# Altium PCB TIDA-01349_PCB.PcbDoc (part 2 of 2)
Units mil, origin at the board's own origin, x right, y up, seen from the top; angles counter-clockwise.
Board outline 4300 x 4300 mil, 4 copper layers (Top Layer, Ground, Power, Bottom Layer), stack 58.4 mil thick; 136 components, 93 nets, 533 pads, 119 vias.
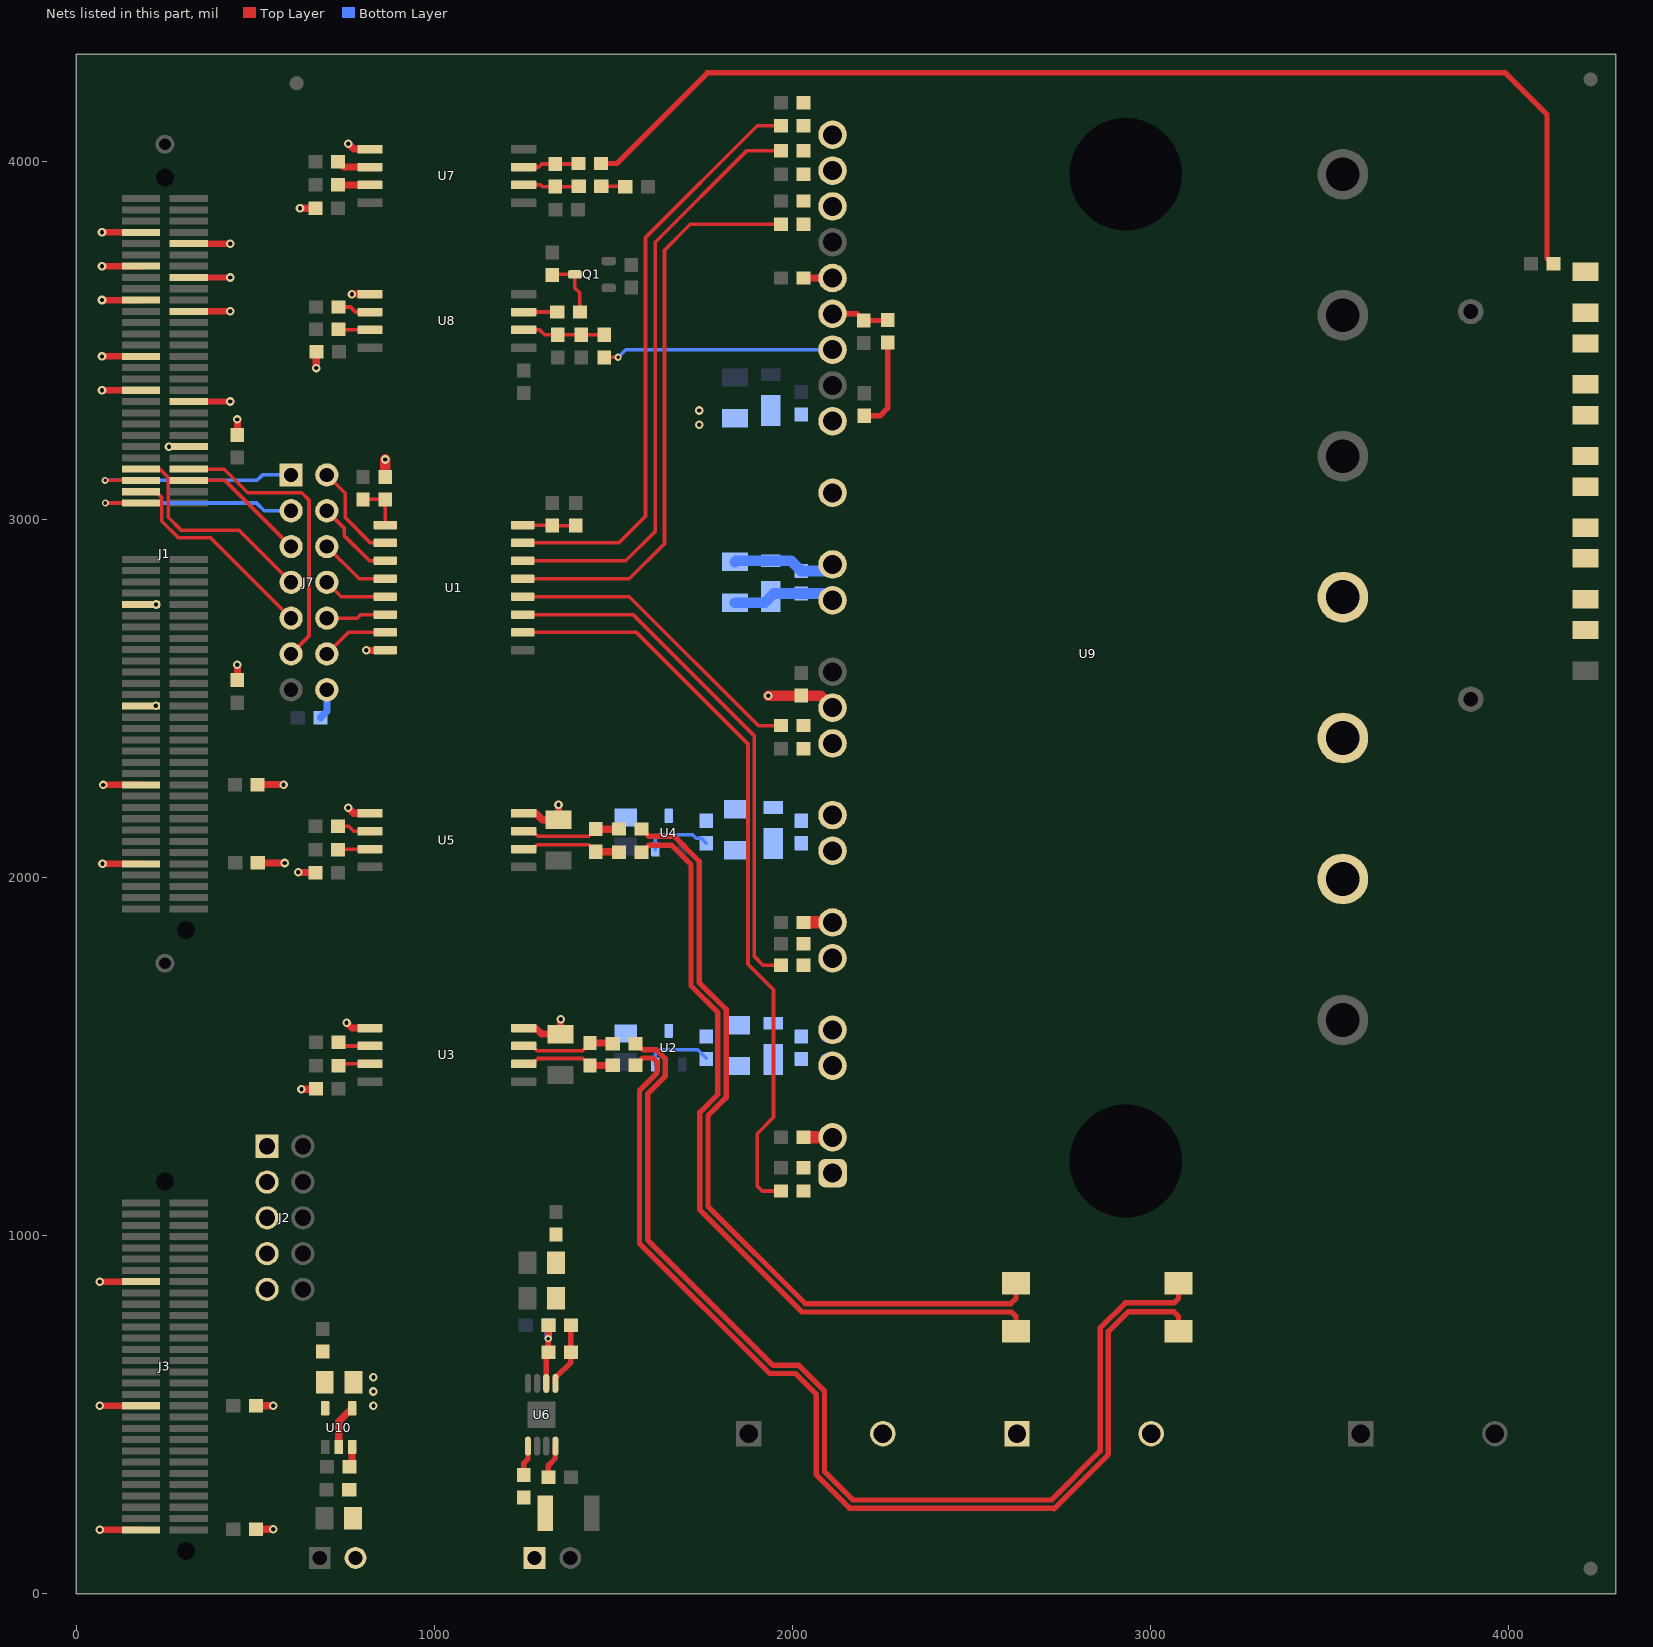
[diagram p4: the nets of this part, all layers, seen from the top]

## Via types
v1: diameter 24, hole 12, Top Layer to Bottom Layer, 94 vias
v2: diameter 20, hole 10, Top Layer to Bottom Layer, 20 vias
v3: diameter 19.68, hole 7.87, Top Layer to Bottom Layer, 5 vias

## Nets (pads, with @x,y where several pads share a name; then routed paths per layer and width w, separated by ;. In a path a pad name is that pad's centre, name@x,y a point inside that pad or via, vN(x,y) a via of type N, cw(c..) or ccw(c..) an arc to the next point about the centre after c; other vN are vias at no path point) (continued)
GND: C1.2 C3.2 C4.2 C9.2 C10.2 C11.2 C15.2 C17.2 C21.2 C22.2 C41.2 C50.2 C51.2 C53.2 C56.1 J1.7 J1.10 J1.13 J1.16 J1.19 J1.22 J1.29 J1.35 J1.38 J1.46 J1.65 J1.83 J1.97 J1.111 J2.1 J2.3 J2.5 J2.7 J2.9 J3.135 J3.157 J3.179 J7.14 J9.2 U1.8 U3.5 U5.5 U7.5 U8.5 U10.2 U10.4 | length 2781.9
  Top Layer w18: v1(65.34,178.63) J3.179@180.76,178.63 ; v1(65.34,525.09) J3.157@180.76,525.09 ; v1(65.34,871.55) J3.135@180.76,871.55 ; v1(72,3361.53) J1.35@180.76,3361.53 ; v1(72,3456.01) J1.29@180.76,3456.01 ; v1(72,3613.49) J1.19@180.76,3613.49 ; v1(72,3707.98) J1.13@180.76,3707.98 ; v1(72,3802.47) J1.7@180.76,3802.47 ; v1(73.3,2038.69) J1.111@180.76,2038.69 ; v1(75,2259.16) J1.97@180.76,2259.16 ; J1.83@180.76,2479.64 221.64,2479.64 v1(222,2480) ; J1.65@180.76,2763.1 222.9,2763.1 v1(223,2763) ; v1(258.95,3204.04) J1.46@314.62,3204.04 ; J1.38@314.62,3330.03 v1(430.03,3330.03) ; J1.22@314.62,3582 v1(430.03,3582) ; J1.16@314.62,3676.49 v1(430.03,3676.49) ; J1.10@314.62,3770.97 v1(430.03,3770.97)
  Top Layer w20: C9.2@450,2551.77 v1(450,2595) ; C3.2@450,3236.5 v1(450,3280) ; C22.2@501.5,180 v1(550,180) ; C21.2@501.5,525 v1(550,525) ; C10.2@506.5,2260 v1(579,2260) ; C15.2@506.99,2041.39 507.37,2041 v1(582,2041) ; v1(620,2015) 667.05,2015 C11.2@668.5,2013.54 ; v1(625,3870) C17.2@668.5,3870 ; v1(629,1409) 668.8,1409 C4.2@669.8,1410 C4.2@670,1409.8 ; v1(670.5,3423.5) C41.2@670.5,3469 ; U10.2@733,409.87 733,480.73 U10.4@770.4,518.13 ; v1(755,1595) 770,1580 U3.5@820.43,1580 ; v1(760,2195) 775,2180 U5.5@820.43,2180 ; v1(760,4050) 775,4035 U7.5@820.43,4035 ; v1(770,3630) U8.5@820.43,3630 ; v1(810,2635) U1.8@863.07,2635
  Top Layer w30: C1.2@863,3119.5 v1(863,3168)
  Bottom Layer w20: C56.1@681.79,2446.69 700,2464.9 J7.14@700,2525
  other v1: 830,525 830,565 830,605
GND_UT: C5.1 C6.2 C7.1 C39.2 C40.2 D4.2 U2.3 U3.4 U9.6 | length 178.5
  Top Layer w20: U3.4@1249.57,1580 1283,1580 1299.91,1563.09 C5.1@1353,1563.09 v1(1353,1605)
  Bottom Layer w30: U9.6@2093.9,1556.5 U9.6@2112.4,1575
GND_VT: C12.1 C13.2 C14.1 C35.2 C36.2 D2.2 U4.3 U5.4 U9.12 | length 172.9
  Top Layer w20: U5.4@1249.57,2180 1283.42,2180 1301.33,2162.09 C12.1@1347,2162.09 v1(1347,2204)
  Bottom Layer w30: U9.12@2093.9,2156.5 U9.12@2112.4,2175
I_PH_U: R4.1 R18.1 U9.39 | length 3021.3
  Top Layer w15: R4.1@1561.5,1541.5 1583.62,1519.37 1619.98,1519.37 1644.87,1494.47 1644.87,1444.87 1596,1396 1596,988.35 1946.47,637.87 2018.13,637.87 2089.86,566.14 2089.86,341.14 2169,262 2723.64,262 2860,398.36 2860,742.35 2930.15,812.5 3066.24,812.5 3078.74,825 R18.1@3078.74,866.93
I_PH_V: R8.1 R19.1 U9.38 | length 2235.6
  Top Layer w15: R8.1@1579,2136 1599,2116 1670,2116 1740,2046 1740,1707.62 1815.04,1632.58 1815.04,1385.69 1764.63,1335.28 1764.63,1081.72 2036.35,810 2610,810 2625,825 R19.1@2625,866.93
MOD_TEMP: R31.2 U9.23 | length 646.3
  Top Layer w10: R31.2@1475,3453.5 v2(1513.5,3453.5)
  Bottom Layer w10: v2(1513.5,3453.5) 1535,3475 U9.23@2112.4,3475
NetC1_1: C1.1 R32.1 U1.1 | length 133.5
  Top Layer w10: R32.1@801,3056.5 C1.1@863,3056.5 863.07,3056.43 U1.1@863.07,2985
NetC2_1: C2.1 R37.1 U1.16 | length 148.7
  Top Layer w10: U1.16@1246.93,2985 1328.5,2985 C2.1@1330,2983.5 R37.1@1395,2983.5
NetC8_1: C8.1 R2.2 U3.2 | length 261.9
  Top Layer w10: U3.2@1249.57,1480 1274,1480 1289,1495 1415,1495 C8.1@1435,1475
  Top Layer w20: C8.1@1435,1475 R2.2@1497.01,1475
NetC8_2: C8.2 R4.2 U3.3 | length 261.5
  Top Layer w10: U3.3@1249.57,1530 1274,1530 1287,1517 1414.01,1517 C8.2@1435,1537.99
  Top Layer w20: C8.2@1435,1537.99 R4.2@1497.01,1537.99
NetC16_1: C16.1 R6.2 U5.2 | length 278
  Top Layer w10: U5.2@1249.57,2080 1275,2080 1287,2092 1431.5,2092 C16.1@1451,2072.5
  Top Layer w20: C16.1@1451,2072.5 R6.2@1514.5,2072.5
NetC16_2: C16.2 R8.2 U5.3 | length 279.8
  Top Layer w10: U5.3@1249.57,2130 1275,2130 1289,2116 1431.5,2116 C16.2@1451,2135.5
  Top Layer w20: C16.2@1451,2135.5 R8.2@1515.5,2135.5
NetC18_1: C18.1 C19.1 C45.1 R40.1 R41.2 U6.1 | length 180.3
  Top Layer w15: U6.1@1338.39,587.6 1338.39,603.39 1381.5,646.5 C45.1@1381.5,675 R41.2@1381.5,750
NetC23_1: C23.1 R12.2 U9.1
NetC24_1: C24.1 R15.2 U9.7
NetC25_1: C25.1 R17.2 U9.13
NetC27_1: C27.1 R21.2 U9.27
NetC28_1: C28.1 R23.2 U9.28
NetC29_1: C29.1 R25.2 U9.29
NetC31_1: C31.1 C32.1 D1.1 U9.16 | length 290.7
  Bottom Layer w30: C31.1@1840,2767.91 1923.11,2767.91 D1.1@1940,2784.8 1948.7,2793.5 C32.1@2025,2793.5 2093.9,2793.5 U9.16@2112.4,2775
NetC31_2: C31.2 C32.2 D1.2 U9.18 | length 293.2
  Bottom Layer w30: C31.2@1840,2882.09 1843.11,2885.2 D1.2@1940,2885.2 1996.3,2885.2 C32.2@2025,2856.5 2093.9,2856.5 U9.18@2112.4,2875
NetC43_2: C43.2 U9.25 | length 80.9
  Top Layer w20: C43.2@2031.5,3675 U9.25@2112.4,3675
NetC44_1: C44.1 R28.1 U9.24 | length 162.3
  Top Layer w15: U9.24@2112.4,3575 2181.5,3575 C44.1@2200,3556.5 2264.6,3556.5 R28.1@2266.3,3558.19
NetC45_2: C45.2 R41.1 R45.2 U6.2 | length 202.3
  Top Layer w15: U6.2@1312.8,587.6 1312.8,669.29 C45.2@1318.5,675 v2(1318.5,712.5) R41.1@1318.5,750
  Bottom Layer w20: v2(1318.5,712.5) R45.2@1318.5,750
NetC46_1: C46.1 R31.1 R35.2 U8.2 | length 231
  Top Layer w10: U8.2@1249.57,3530 1295,3530 1308.5,3516.5 C46.1@1345,3516.5 R35.2@1410,3516.5 R31.1@1475,3516.5
NetC51_1: C51.1 R42.1 U10.5
NetC52_1: C52.1 R46.2 U7.2 | length 155.3
  Top Layer w10: U7.2@1249.57,3935 1297,3935 1301.5,3930.5 C52.1@1338,3930.5 R46.2@1403.01,3930.5
NetC52_2: C52.2 R47.2 U7.3 | length 155
  Top Layer w10: U7.3@1249.57,3985 1292,3985 1300.5,3993.5 C52.2@1338,3993.5 R47.2@1401,3993.5
NetQ1_3: Q1.3 R27.2 R30.2 | length 174.1
  Top Layer w10: R27.2@1330,3683.5 1331.5,3685 Q1.3@1392.76,3685 1392.76,3647.24 1406.5,3633.5 R30.2@1406.5,3580
NetR1_1: R1.1 U3.6 | length 91.8
  Top Layer w10: R1.1@732.8,1540 742.8,1530 U3.6@820.43,1530
NetR3_1: R3.1 U3.7 | length 89.7
  Top Layer w10: R3.1@732.8,1475 737.8,1480 U3.7@820.43,1480
NetR5_1: R5.1 U5.6 | length 94.5
  Top Layer w10: R5.1@731.5,2143.54 761.46,2143.54 775,2130 U5.6@820.43,2130
NetR7_1: R7.1 U5.7 | length 89.5
  Top Layer w10: R7.1@731.5,2078.54 732.95,2080 U5.7@820.43,2080
NetR9_1: R9.1 U7.6 | length 95.2
  Top Layer w20: R9.1@731.5,4000 746.5,3985 U7.6@820.43,3985
NetR10_1: R10.1 U7.7 | length 88.9
  Top Layer w20: R10.1@731.5,3935 U7.7@820.43,3935
NetR11_2: R11.2 R46.1 | length 66
  Top Layer w10: R46.1@1466.5,3931 R11.2@1532.5,3931
NetR13_1: R13.1 R14.2
NetR14_1: R14.1 R16.2
NetR16_1: R16.1 R20.2
NetR20_1: R20.1 R22.2
NetR22_1: R22.1 R24.2
NetR28_2: R28.2 R29.1 U9.19 | length 257.4
  Top Layer w15: R29.1@2201.3,3290.2 2244.8,3290.2 2266.3,3311.69 R28.2@2266.3,3495.2
NetR30_1: R30.1 U8.3 | length 93.9
  Top Layer w10: U8.3@1249.57,3580 R30.1@1343.5,3580
NetR38_1: R38.1 U8.6 | length 93.7
  Top Layer w10: R38.1@732.5,3594 766,3594 780,3580 U8.6@820.43,3580
NetR39_1: R39.1 U8.7 | length 88.8
  Top Layer w10: R39.1@732.5,3532 734.5,3530 U8.7@820.43,3530
NetR43_1: R43.1 U6.5 | length 85.7
  Top Layer w15: R43.1@1250,331.5 1250,365 1261.61,376.61 U6.5@1261.61,412.4
NetR44_1: R44.1 U10.3 | length 57.7
  Top Layer w20: R44.1@763.5,355 770.4,361.91 U10.3@770.4,409.87
P15V: C30.1 C33.1 C34.1 C37.1 C38.1 C47.1 C49.1 D3.1 J8.1 R43.2 U6.8 U9.3 U9.9 U9.14 U9.21 | length 450.6
  Top Layer w15: C49.1@1318.5,325 1318.5,358.5 1338.39,378.39 U6.8@1338.39,412.4
  Top Layer w30: v1(1933.11,2508.5) C34.1@2025,2508.5 2078.9,2508.5 U9.14@2112.4,2475
  Top Layer w35: C30.1@2031.5,1275 U9.3@2112.4,1275 ; C33.1@2031.5,1875 U9.9@2112.4,1875
  other v1: 1740,3265 1740,3305
PH_U: J5.2 R2.1 R18.2 | length 3021.3
  Top Layer w15: R2.1@1561.5,1476.5 1581.5,1496.5 1610.5,1496.5 1622,1485 1622,1454.35 1573.13,1405.47 1573.13,978.87 1937,615 2008.65,615 2066.99,556.66 2066.99,331.66 2159.53,239.13 2728.87,239.13 2730.99,237 2882.87,388.88 2882.87,732.87 2937.5,787.5 3066.24,787.5 3078.74,775 R18.2@3078.74,733.07
PH_V: J5.1 R6.1 R19.2 | length 2233.5
  Top Layer w15: R6.1@1579,2071 1599,2091 1662.65,2091 1717.13,2036.53 1717.13,1698.14 1792.17,1623.1 1792.17,1395.17 1741.75,1344.75 1741.75,1072.25 2026.87,787.13 2612.87,787.13 2625,775 R19.2@2625,733.07
PH_W: J6.2 U9.37
PWM_U_B: J1.52 J7.5 | length 361.8
  Top Layer w10: J1.52@314.62,3109.56 415.44,3109.56 J7.5@600,2925
PWM_U_B_IPM: R21.1 U1.13 | length 1612
  Top Layer w10: U1.13@1246.93,2835 1545,2835 1643,2933 1643,3753 1715,3825 R21.1@1968.5,3825
PWM_U_T: J1.50 J7.11 | length 823.2
  Top Layer w10: J1.50@315.67,3140 J1.50@314.62,3141.05 412.95,3141.05 479,3075 630,3075 650,3055 650,2675 J7.11@600,2625
PWM_U_T_IPM: R12.1 U1.10 | length 2113.7
  Top Layer w10: U1.10@1246.93,2685 1564.99,2685 1876.37,2373.62 1876.37,1758.63 1947.54,1687.46 1947.54,1330.81 1902,1285.27 1902,1139 1916,1125 R12.1@1968.5,1125
PWM_UB: J7.6 U1.4 | length 200.4
  Top Layer w10: J7.6@700,2925 790,2835 U1.4@863.07,2835
PWM_UT: J7.12 U1.7 | length 187.9
  Top Layer w10: J7.12@700,2625 760,2685 U1.7@863.07,2685
PWM_V_B: J1.55 J7.3 | length 626.6
  Top Layer w10: v2(81.56,3046.56) J1.55@180.76,3046.56
  Bottom Layer w10: v2(81.56,3046.56) 503.44,3046.56 525,3025 J7.3@600,3025
PWM_V_B_IPM: R23.1 U1.14 | length 1669.2
  Top Layer w10: U1.14@1246.93,2885 1535,2885 1617,2967 1617,3775 1872,4030 R23.1@1968.5,4030
PWM_V_T: J1.53 J7.9 | length 604.1
  Top Layer w10: J1.53@180.76,3078.06 222.94,3078.06 239,3062 239,2996 286,2949 376,2949 J7.9@600,2725
PWM_V_T_IPM: R15.1 U1.11 | length 1488.4
  Top Layer w10: U1.11@1246.93,2735 1555,2735 1894.25,2395.75 1894.25,1779.74 1918.99,1755 R15.1@1968.5,1755
PWM_VB: J7.4 U1.3 | length 233.4
  Top Layer w10: J7.4@700,3025 748,2977 748,2956 819,2885 U1.3@863.07,2885
PWM_VT: J7.10 U1.6 | length 167.2
  Top Layer w10: J7.10@700,2725 785,2725 795,2735 U1.6@863.07,2735
PWM_W_B: J1.51 J7.1 | length 626.3
  Top Layer w10: v2(80.44,3109.56) J1.51@180.76,3109.56
  Bottom Layer w10: v2(80.44,3109.56) 504.56,3109.56 520,3125 J7.1@600,3125
PWM_W_B_IPM: R25.1 U1.15 | length 1659.9
  Top Layer w10: U1.15@1246.93,2935 1515,2935 1590,3010 1590,3788 1902,4100 R25.1@1968.5,4100
PWM_W_T: J1.49 J7.7 | length 615.2
  Top Layer w10: J1.49@180.76,3141.05 233.95,3141.05 257,3118 257,3007 294,2970 455,2970 J7.7@600,2825
PWM_W_T_IPM: R17.1 U1.12 | length 870.7
  Top Layer w10: U1.12@1246.93,2785 1545,2785 1905,2425 R17.1@1968.5,2425
PWM_WB: J7.2 U1.2 | length 281.6
  Top Layer w10: J7.2@700,3125 751,3074 751,3006 822,2935 U1.2@863.07,2935
PWM_WT: J7.8 U1.5 | length 179.6
  Top Layer w10: J7.8@700,2825 740,2785 U1.5@863.07,2785
V_DC_bus: R24.1 R26.2 R47.1 | length 3218.5
  Top Layer w15: R47.1@1465.5,3995 1510,3995 1762.87,4247.87 3992.13,4247.87 4108.05,4131.95 4108.05,3730 R26.2@4123.05,3715
VCC_PH_U: C7.2 C39.1 C40.1 D4.1 U2.2 U9.4 | length 212.7
  Bottom Layer w10: U2.2@1617.6,1477.76 1617.6,1506.91 1630,1519.31 1736.19,1519.31 C7.2@1760,1495.5
  Bottom Layer w30: U9.4@2093.9,1493.5 U9.4@2112.4,1475
VCC_PH_V: C14.2 C35.1 C36.1 D2.1 U4.2 U9.10 | length 212.7
  Bottom Layer w10: U4.2@1617.6,2078.44 1617.6,2107.6 1630,2120 1721.46,2120 1731.46,2110 1746.19,2110 C14.2@1760,2096.19
  Bottom Layer w30: U9.10@2093.9,2093.5 U9.10@2112.4,2075
pads on no net: FID1.1 FID2.1 FID3.1 FID4.1 FID5.1 FID6.1 J1.1 J1.2 J1.3 J1.4 J1.5 J1.6 J1.8 J1.9 J1.11 J1.12 J1.14 J1.15 J1.17 J1.18 J1.20 J1.21 J1.23 J1.24 J1.25 J1.26 J1.27 J1.28 J1.30 J1.31 J1.32 J1.33 J1.34 J1.36 J1.37 J1.39 J1.40 J1.41 J1.42 J1.43 J1.44 J1.45 J1.47 J1.56 J1.57 J1.58 J1.59 J1.60 J1.61 J1.62 J1.63 J1.64 J1.66 J1.67 J1.68 J1.69 J1.70 J1.71 J1.72 J1.73 J1.74 J1.76 J1.78 J1.79 J1.80 J1.81 J1.82 J1.85 J1.87 J1.88 J1.89 J1.91 J1.92 J1.93 J1.94 J1.95 J1.96 J1.104 J1.106 J1.108 J1.110 J1.113 J1.114 J1.115 J1.116 J1.117 J1.118 J1.119 J1.120 J1.181 J1.182 J1.185 J1.186 J3.61 J3.62 J3.121 J3.122 J3.123 J3.124 J3.125 J3.126 J3.127 J3.128 J3.129 J3.130 J3.131 J3.132 J3.133 J3.134 J3.136 J3.137 J3.138 J3.139 J3.140 J3.141 J3.142 J3.143 J3.144 J3.145 J3.146 J3.147 J3.148 J3.149 J3.150 J3.151 J3.152 J3.153 J3.154 J3.155 J3.156 J3.159 J3.160 J3.161 J3.162 J3.163 J3.164 J3.165 J3.166 J3.167 J3.168 J3.169 J3.170 J3.171 J3.172 J3.173 J3.174 J3.175 J3.176 J3.177 J3.178 J6.1

## Polygon pours and split planes (outlines as drawn)
DC- on Top Layer "POWER2-No Net" (solid, remove dead copper, pour order 162): 3850,3580 3850,3705 3895,3750 4080,3750 4085,3745 4085,3690 4075,3680 4005,3680 3960,3680 3940,3660 3940,3555 3925,3540 3860,3540 3850,3550
V_DC_bus on Top Layer "POWER2-No Net" (solid, remove dead copper, pour order 160): 4105,3740 4105,3675 4115,3665 4230,3665 4256.26,3665 4261.26,3670 4261.26,3743.74 4255,3750 4115,3750
NetR22_1 on Top Layer "POWER2-No Net" (solid, remove dead copper, pour order 158): 4170,3600 4170,3465 4175,3460 4256.26,3460 4261.26,3465 4261.26,3598.74 4250,3610 4175,3610 4170,3605
NetR20_1 on Top Layer "POWER2-No Net" (solid, remove dead copper, pour order 156): 4170,3400 4170,3265 4175,3260 4255,3260 4260,3265 4260,3405 4255,3410 4175,3410 4170,3405
NetR16_1 on Top Layer "POWER2-No Net" (solid, remove dead copper, pour order 154): 4168.74,3195 4168.74,3066.26 4175,3060 4256.26,3060 4261.26,3065 4261.26,3203.74 4255,3210 4173.74,3210 4168.74,3205
NetR14_1 on Top Layer "POWER2-No Net" (solid, remove dead copper, pour order 152): 4170,3000 4170,2870 4175,2865 4256.26,2865 4261.26,2870 4265,2873.74 4265,2990 4265,3005 4260,3010 4175,3010 4170,3005
NetR13_1 on Top Layer "POWER2-No Net" (solid, remove dead copper, pour order 150): 4170,2760 4170,2665 4175,2660 4240,2660 4260,2660 4265,2665 4265,2806.26 4261.26,2810 4180,2810 4175,2810 4170,2805
I_PH_V on Top Layer "POWER2-No Net" (solid, remove dead copper, pour order 134): 2580,865 2580,895 2525,950 2525,1681 3319,2475 3625,2475 3650,2450 3650,2275 3625,2250 3362,2250 2725,1613 2725,950 2670,895 2670,860 2670,840 2665,835 2600,835 2585,835 2580,840
PH_V on Top Layer "Bottom Layer-No Net" (solid, remove dead copper, pour order 126): 2585.2,755 2595.2,765 2655.2,765 2665.2,755 2665.2,684.8 2725,625 2725,425 2700,400 2550,400 2525,425 2525,625 2585.2,685.2
NetC24_1 on Top Layer "Top Layer-No Net" (solid, remove dead copper, pour order 74): 2010,1830 2010,1740 2015,1735 2135,1735 2150,1750 2150,1795 2135,1810 2076.02,1810 2051.02,1835 2015,1835
NetC25_1 on Top Layer "Top Layer-No Net" (solid, remove dead copper, pour order 64): 2010,2345 2020,2335 2130,2335 2150,2355 2150,2395 2135,2410 2070,2410 2055,2425 2055,2440 2050,2445 2015,2445 2010,2440
DC- on Top Layer "Top Layer-No Net" (solid, remove dead copper, pour order 62): 1929.94,2550 2075,2550 2085,2540 2135,2540 2150,2555 2150,2595 2130,2615 1929.6,2615 1921.3,2606.69 1921.3,2556.69
NetC27_1 on Top Layer "Top Layer-No Net" (solid, remove dead copper, pour order 44): 2010,3805 2015,3800 2045,3800 2080,3835 2135,3835 2155,3855 2155,3900 2145,3910 2015,3910 2010,3905
NetC28_1 on Top Layer "Top Layer-No Net" (solid, remove dead copper, pour order 42): 2010,3941.46 2015,3936.46 2146.46,3936.46 2155,3945 2155,4000 2150,4005 2071.02,4005 2061.02,4015 2061.02,4046.24 2050,4057.27 2012.27,4057.27 2010,4055
NetC29_1 on Top Layer "Top Layer-No Net" (solid, remove dead copper, pour order 40): 2010,4080 2015,4075 2070,4075 2070,4060 2090,4040 2140,4040 2155,4055 2155,4110 2145,4120 2080,4120 2070,4130 2070,4182.18 2059.98,4192.2 2012.2,4192.2 2010,4190
NetC23_1 on Top Layer "Top Layer-No Net" (solid, remove dead copper, pour order 84): 2010,1105 2015,1100 2140,1100 2155,1115 2155,1205 2145,1215 2020,1215 2010,1205
DC+ on Top Layer "TOP_LAYER_DC+_P240" (solid, remove dead copper, pour order 240): 3496.3,1501.69 3456.3,1541.69 3456.3,1645.3 3502.69,1691.69 3746.3,1691.69 3781.3,1726.69 3781.3,2566.69 3821.3,2606.69 4301.3,2606.69 4300,2605.4 4300,0 3496.3,0
I_PH_U on Top Layer "TOP_LAYER_I_PH_U_P244" (solid, remove dead copper, pour order 244): 3036.3,1055.69 3114.3,1133.69 3114.3,1764.3 3435.69,2085.69 3610.3,2085.69 3626.3,2069.69 3626.3,1927.69 3604.3,1905.69 3492.69,1905.69 3277.3,1690.3 3277.3,1078.69 3119.3,920.69 3119.3,835.69 3118.3,834.69 3039.3,834.69 3036.3,837.69
PH_U on Top Layer "Bottom Layer-No Net" (solid, remove dead copper, pour order 246): 3118.35,755 3108.35,765 3048.35,765 3038.35,755 3038.35,684.61 2958.3,604.55 2958.3,417.69 2975.99,400 3035.6,400 3118.35,482.74 3118.35,685.39
NetR28_2 on Top Layer "TOP_LAYER_NETR28_2_P288" (solid, remove dead copper, pour order 288): 2166.3,3111.69 2181.3,3126.69 2181.3,3310.39 2182.6,3311.69 2216.3,3311.69 2221.3,3306.69 2221.3,3061.69 2196.3,3036.69 2081.3,3036.69 2071.3,3046.69 2071.3,3106.69 2076.3,3111.69
5V on Top Layer "TOP_LAYER_5V_P308" (solid, remove dead copper, pour order 308): 620,0 620,423 631,434 699,434 705,428 705,388 720,373 720,0
GND on Top Layer "TOP_LAYER_GND_P310" (solid, remove dead copper, pour order 310): 743,0 858,0 858,614 849,623 752,623 748,619 748,509 721,482 721,391 722,390 744,390 745,391 745,434 756,445 781.55,445 795,431.55 795,330.75 775.25,311 745.3,311 743,308.7
NetC51_1 on Top Layer "TOP_LAYER_NETC51_1_P312" (solid, remove dead copper, pour order 312): 656,505 663,498 708,498 711,501 711,548 719,556 719,693 715,697 663,697 656,690
P15V on Top Layer "TOP_LAYER_P15V_P314" (solid, remove dead copper, pour order 314): 1315,0 1315,155 1335,175 1335,300 1340,305 1340,365.98 1355,380.98 1355,435 1350,440 1335,440 1330,435 1330,380 1295,345 1295,300 1285,290 1230,290 1225,285 1225,0
DC- on Top Layer "TOP_LAYER_DC-_P316" (solid, remove dead copper, pour order 316): 1345,0 1345,120 1405,180 1405,260 1360,305 1360,350 1380,370 1380,450.87 1370.87,460 1330,460 1320,450 1320,390 1315,385 1280,385 1275,390 1275,450 1215,510 1215,1040 1224.86,1049.86 1277.14,1049.86 1290,1037 1290,790 1280,780 1280,635 1295,620 1295,545 1300,540 1410,540 1435,515 1435,330 1470,295 1470,0
NetC18_1 on Top Layer "TOP_LAYER_NETC18_1_P318" (solid, remove dead copper, pour order 318): 1330,615 1360,645 1360,785 1355,790 1320,790 1315,795 1315,1023.7 1321.3,1030 1400,1030 1409.98,1020.02 1409.98,644.12 1355,589.13 1355,565 1350,560 1335,560 1330,565
PH_W on Bottom Layer "POWER2-No Net" (solid, remove dead copper, pour order 170): 2280,1715 3430,2865 3575,2865 3600,2865 3630,2835 3630,2720 3615,2705 3500,2705 2466.3,1671.3 2466.3,546.3 2325,405 2180,405 2157.5,427.5 2157.5,842.5 2280,965
P15V on Bottom Layer "Top Layer-No Net" (solid, remove dead copper, pour order 54): 1991,3315 1958,3348 1905,3348 1877,3320 1735,3320 1720,3305 1720,3260 1745,3235 2140,3235 2160,3255 2160,3305 2150,3315
DC- on Bottom Layer "Top Layer-No Net" (solid, remove dead copper, pour order 50): 1745,3415 1745,3435 1755,3445 1985,3445 2025,3405 2145,3405 2155,3395 2155,3350 2140,3335 2001.46,3335 1996.46,3340 1996.46,3357.66 1996.46,3362.22 1978.67,3380 1895,3380 1880,3365 1755,3365 1745,3375
DC- on Bottom Layer "Bottom Layer-No Net 1" (solid, remove dead copper, pour order 198): 4250.32,25.32 4275,50 4275,4250 4250,4275 3425,4275 3400,4250 3400,3125 3425,3100 3750,3100 3775,3075 3775,2650 3800,2625 3950,2625 4025,2550 4025,2450 3916.69,2341.69 3796.3,2341.69 3781.3,2326.69 3781.3,1726.69 3496.23,1441.62 3496.45,631.84 3503.37,625 3725,625 3750,600 3750,295 3730,275 3496.23,275 3496.23,26.76 3497.67,25.32
5V_PH_V on Bottom Layer "Bottom Layer-No Net 3" (solid, remove dead copper, pour order 206): 1676.69,2101.69 1665,2090 1665,2055 1650,2040 1590,2040 1575,2055 1575,2110 1571,2114 1320,2114 1300.74,2094.74 1300.74,2004.26 1315,1990 1664.6,1990 1701.3,2026.69 1701.3,2101.69
GND_UT on Bottom Layer "Bottom Layer-No Net 2" (solid, remove dead copper, pour order 210): 2160,1596 2136,1620 1305,1620 1296,1611 1296,1545 1306,1535 1435,1535 1780,1535 1805,1560 1890,1560 1905,1575 1990,1575 2000,1565 2000,1540 2005,1535 2135,1535 2160,1560
5V_PH_U on Bottom Layer "Bottom Layer-No Net 3" (solid, pour order 212): 1680,1504.31 1665,1489.31 1665,1454.31 1650,1439.31 1590,1439.31 1575,1454.31 1575,1505 1569,1511 1317,1511 1305.36,1499.36 1305.36,1400.64 1316,1390 1685.69,1390 1720,1424.31 1720,1489.31 1705,1504.31
VCC_PH_V on Bottom Layer "Top Layer-No Net" (solid, remove dead copper, pour order 256): 1996,2115 1971,2140 1890,2140 1870,2120 1741.46,2120 1731.46,2110 1731.46,2038.53 1734.99,2035 2085,2035 2140,2035 2160,2055 2160,2105 2150,2115
GND_VT on Bottom Layer "Bottom Layer-No Net 2" (solid, remove dead copper, pour order 258): 2170,2200 2151,2219 1302,2219 1292,2209 1292,2146 1303,2135 1780,2135 1805,2160 1881,2160 1896,2175 1990,2175 2000,2165 2000,2140 2005,2135 2135,2135 2170,2170
VCC_PH_U on Bottom Layer "Top Layer-No Net" (solid, remove dead copper, pour order 274): 1995,1515 1965,1545 1895,1545 1870,1520 1749.6,1520 1736.3,1506.69 1736.3,1454.69 1740.99,1450 2070,1450 2085,1435 2140,1435 2160,1455 2160,1505 2150,1515
GND on Bottom Layer "BOTTOM_LAYER_GND_P302" (solid, remove dead copper, pour order 302): 50,4275 825,4275 858,4242 858,3817 897,3778 897,2547 858,2508 858,33 850,25 51,25 25,51 25,4250
DC- on Ground "Bottom Layer-No Net 1" (solid, remove dead copper, pour order 272): 4250.32,25.32 4275,50 4275,4250 4250,4275 3425,4275 3400,4250 3400,3125 3425,3100 3750,3100 3775,3075 3775,2650 3800,2625 3950,2625 4025,2550 4025,2450 3916.69,2341.69 3796.3,2341.69 3781.3,2326.69 3781.3,1726.69 3496.23,1441.62 3496.45,631.84 3503.37,625 3725,625 3750,600 3750,295 3730,275 3496.23,275 3496.23,26.76 3497.67,25.32
GND on Ground "GROUND_GND_P300" (solid, remove dead copper, pour order 300): 50,4275 825,4275 858,4242 858,3817 897,3778 897,2547 858,2508 858,33 850,25 51,25 25,51 25,4250
DC- on Ground "GROUND_DC-_P304" (solid, remove dead copper, pour order 304): 1213,4300 1213,2380 1224,2369 1424,2369 1487,2306 1487,1337 1420,1270 1262,1270 1212,1220 1212,1 1522,1 1522,331 1951,760 1951,4300
5V on Power "Power-No Net" (solid, pour order 236): 49.99,25 25.49,49.5 25.49,4249.88 75.6,4300 471,4299.99 521.3,4249.69 521.3,483.7 539,466 841,466 858,449 858,33 850,25
DC+ on Power "POWER_DC+_P270" (solid, remove dead copper, pour order 270): 3496.3,1501.69 3456.3,1541.69 3456.3,1645.3 3502.69,1691.69 3746.3,1691.69 3781.3,1726.69 3781.3,2566.69 3821.3,2606.69 4301.3,2606.69 4300,2605.4 4300,0 3496.3,0
P15V on Power "POWER_P15V_P322" (solid, remove dead copper, pour order 322): 1721.3,3321.69 1721.3,3246.69 1726.3,3241.69 1806.3,3241.69 1813.3,3234.69 1813.3,863.3 1215,265 1215,2 1213,0 1440,0 1440,250 1950.54,760.54 1950.54,1223.93 1962.3,1235.69 2142.3,1235.69 2153.3,1246.69 2153.3,1296.69 2135.35,1314.64 1968.35,1314.64 1950.54,1332.45 1950.54,1795.54 1990.69,1835.69 2142.3,1835.69 2153.3,1846.69 2153.3,1896.69 2135.3,1914.69 1975.31,1914.69 1950,1940 1950,3315 1935,3330 1729.6,3330
5V_ISO on Power "POWER_5V_ISO_P324" (solid, remove dead copper, pour order 324): 1210,1218 1262,1270 1420,1270 1487,1337 1487,2306 1424,2369 1224,2369 1213,2380 1213,4300 1610,4300 1610,1072 1542,1004 1316,1004 1210,1110
3V3 on Power "POWER_3V3_P326" (solid, remove dead copper, pour order 326): 542,4260 556.51,4274.51 825.49,4274.51 858,4242 858,3267 897,3228 897,2547 858,2508 858,648 838,628 556,628 542,642 542,4260

## Keep-outs
Keep-Out Layer:
  the board outline again, w10
  text ".Layer_Name" at 577,-858.49 h60

## Other copper
Top Layer:
  text ".Layer_Name" at 577,-858.49 h60
Ground:
  text "'.Layer_Name'" at 700,-850 h72.83
Power:
  text "'.Layer_Name'" at 725,-857 h72.83
Bottom Layer:
  text ".Layer_Name" at 577,-858.49 h60
Multi-Layer:
  pour cut-out: 858,4300 1213,4300 1213,0 858,0 858,2508 897,2547 897,3228 858,3267

## Silkscreen, mask and mechanical layers (free items; w line width, h text height)
Top Overlay:
  region: 4025,2100 4025,1800 4125,1800 4125,2100
  lines w6: 1388,376 1627,376 1644,359 1644,266 1608,230 1488,230 ; 1476,3894 1476,3877 1487,3866 1497,3866 ; 1904,1792 1929,1792 ; 1908,3928 1918,3928 1930,3940 ; 1911,3866 1930,3866 ; 4252,4047 4262,4037 4262,3755
  text "EN-DO" at 709,1236 h30
  text "EN-TXEN" at 709,1134 h30
  text "400 Vrms" at 2251,1123 h60
  text "EN-DI" at 709,1035 h30
  text "5 Arms" at 2251,1032.5 h60
  text "DC Bus" at 3581,959 h60
  text "Motor Phase" at 2251,947 h60
  text "EN-CLK" at 709,934 h30
  text "565 Vdc" at 3581,872 h60
  text "EN-TXCLKEN" at 709,834 h30
  text "5 Adc" at 3581,785 h60
  text "W" at 2130,664 h60
  text "V" at 2491,664 h60
  text "U" at 2950,664 h60
  text "DC+" at 3511,664 h60
  text "DC-" at 3945,664 h60
  text "5V" at 499,55 h60
  text "GND" at 849,55 h60
  text "15V" at 1056,55 h60
  text "DC-" at 1448,55 h60
  text ".Layer_Name" at 577,-858.49 h60
Bottom Overlay:
  text ".Layer_Name" at 577,-858.49 h60
Top Paste:
  text ".Layer_Name" at 577,-858.49 h60
Bottom Paste:
  text ".Layer_Name" at 577,-858.49 h60
Top Solder:
  text ".Layer_Name" at 577,-858.49 h60
  text ".Layer_Name" at 577,-858.49 h60
Bottom Solder:
  text ".Layer_Name" at 577,-858.49 h60
Drill Guide:
  text ".Layer_Name" at 577,-858.49 h60
M1 Board Outline:
  the board outline again, w10
M2 Board Dimensions:
  rectangle: 0,-275 125,-150
  rectangle: 125,-400 500,-275
  lines w7: 0,-275 1000,-275 ; 125,-400 125,-150 ; 250,-400 250,-150 ; 500,-400 500,-150 ; 750,-400 750,-150 ; 0,-400 1000,-400 1000,-150 0,-150 0,-400
M3 3D STEP Top:
  text ".Layer_Name" at 577,-858.49 h60
M4 3D STEP Bottom:
  text ".Layer_Name" at 577,-858.49 h60
M5 Assembly Top:
  lines w10: -292,-930.17 6308,-930.17 ; -292,-726.83 6310,-726.83 ; -292,-523.5 -292,-1133.5 3713,-1133.5 6310,-1133.5 6310,-523.5 -291.5,-523.5 -291.5,-1133.5 1284,-1133.5 ; 2173,-1133.5 2173,-523.5 ; 3440,-726.83 3440,-523.5 ; 4280,-726.83 4280,-523.5 ; 4902,-1140 4902,-937.17
  text "COMPONENTS MARKED 'DNP' SHOULD NOT BE POPULATED." at 1153.5,-318.5 h60
  text "ASSEMBLY VARIANT:" at 1153,-434 h60
  text ".VariantName" at 2189,-434 h60
  text "PCB VIEWED FROM TOP SIDE" at -228.5,-655.67 h60
  text "BOARD #:" at 2248,-655.67 h60
  text ".PRJ_Number" at 2793.5,-655.67 h60
  text "REV:" at 3638,-655.67 h60
  text ".PCB_Rev" at 3929.5,-655.67 h60
  text "SVN REV:" at 4476,-655.67 h60
  text ".VersionControl_RevNumber" at 4982,-655.67 h60
  text "TID #:" at 2248,-859 h60
  text ".TID" at 2793.5,-859 h60
  text "'.Layer_Name'" at 614,-860 h72.83
  text "PLOT NAME =" at -228.5,-1064.34 h60
  text ".plot_File_Name" at 577,-1064.34 h60
  text "GENERATED    :" at 2250,-1064.34 h60
  text ".Print_Date" at 3119.5,-1064.34 h60
  text ".Print_Time" at 3848.5,-1064.34 h60
  text "TEXAS INSTRUMENTS" at 5113,-1064.34 h60
M6 Assembly Bottom:
  lines w10: -292.5,-727.33 6309.5,-727.33 ; -290.5,-930.67 6309.5,-930.67 ; 1115.5,-1140.5 1115.5,-937.67 ; 1737.5,-727.33 1737.5,-524 ; 2577.5,-727.33 2577.5,-524 ; 3844.5,-1134 3844.5,-524 ; 4733.5,-1134 6309,-1134 6309,-524 -292.5,-524 -292.5,-1134 2304.5,-1134 6309.5,-1134 6309.5,-524
  text "COMPONENTS MARKED 'DNP' SHOULD NOT BE POPULATED." at 6102,-318 h60
  text ".VariantName" at 5058,-434 h60
  text "ASSEMBLY VARIANT:" at 6097,-434 h60
  text ".VersionControl_RevNumber" at 1035.5,-656.17 h60
  text "SVN REV:" at 1541.5,-656.17 h60
  text ".PCB_Rev" at 2088,-656.17 h60
  text "REV:" at 2379.5,-656.17 h60
  text ".PRJ_Number" at 3224,-656.17 h60
  text "BOARD #:" at 3769.5,-656.17 h60
  text "PCB VIEWED FROM BOTTOM SIDE" at 6246,-656.17 h60
  text "'.Layer_Name'" at 1622,-858 h72.83
  text ".TID" at 3224,-859.5 h60
  text "TID #:" at 3769.5,-859.5 h60
  text "TEXAS INSTRUMENTS" at 904.5,-1064.84 h60
  text ".Print_Time" at 2169,-1064.84 h60
  text ".Print_Date" at 2898,-1064.84 h60
  text "GENERATED    :" at 3767.5,-1064.84 h60
  text ".plot_File_Name" at 5440.5,-1064.84 h60
  text "PLOT NAME =" at 6246,-1064.84 h60
M9 Title Sheet:
  drawing of 57 lines, arcs and shapes, not listed
  text "1" at 739.84,8036.5 h70
  text "2" at 3235.5,8036.5 h70
  text "3" at 5724.84,8036.5 h70
  text "4" at 8231.51,8036.5 h70
  text "5" at 10730.5,8036.5 h70
  text "6" at 13235.5,8036.5 h70
  text "A" at -416.5,6893.5 h70
  text "A" at 14383.5,6893.5 h70
  text "B" at -416.5,4513.5 h70
  text "B" at 14383.5,4513.5 h70
  text "C" at -416.5,2138.5 h70
  text "C" at 14383.5,2138.5 h70
  text "PROJECT TITLE:" at 11343.5,277.5 h45
  text ".PRJ_Title" at 11393.5,144.17 h70
  text "DESIGNED FOR:" at 11343.5,-23.5 h45
  text ".PRJ_Customer" at 11393.5,-163.5 h70
  text "D" at -416.5,-231.5 h70
  text "D" at 14383.5,-231.5 h70
  text "FILE NAME:" at 11343.5,-323.5 h45
  text ".PCB_File_Name_No_Path" at 11393.5,-443.5 h70
  text "Texas Instruments (TI) and/or its licensors do not warrant the accuracy or completeness of this specification" at 6374,-605.34 h45
  text "ENGINEER:" at 11343.5,-613.5 h45
  text "LAYOUT BY:" at 12848.5,-613.5 h45
  text "or any information contained therein. TI and/or its licensors do not warrant that this design will meet" at 6329.01,-718 h45
  text ".PRJ_Engineer" at 11393.5,-768.49 h70
  text ".PCB_Layout" at 12899,-768.49 h70
  text "the specifications, will be suitable for your application or fit for any particular purpose, or will operate in" at 6329.01,-830.67 h45
  text "ALTIUM DESIGNER VERSION:" at 12848.5,-923.5 h45
  text "an implementation. TI and/or its licensors do not warrant that the design is production worthy. You should" at 6329.01,-943.33 h45
  text "completely validate and test your design implementation to confirm the system functionality for your application." at 6374,-1056 h45
  text ".print_Scale" at 11393.5,-1056.83 h70
  text ".Application_BuildNumber" at 12899,-1056.83 h70
  text "1" at 739.84,-1263.5 h70
  text "2" at 3235.5,-1263.5 h70
  text "3" at 5724.84,-1263.5 h70
  text "4" at 8231.51,-1263.5 h70
  text "5" at 10730.5,-1263.5 h70
  text "6" at 13235.5,-1263.5 h70
M10 Fab Notes:
  drawing of 189 lines, arcs and shapes, not listed
  text "DESIGN INFORMATION" at 12382.02,6356.17 h60
  text "MIN. TRACK WIDTH:" at 11737.46,6224.05 h60
  text "10" at 12833.7,6224.05 h60
  text "MIL" at 12988.46,6224.05 h60
  text "MIN. CLEARANCE:" at 11737.46,6099.92 h60
  text "7.87" at 12773.7,6099.93 h60
  text "MIL" at 13100,6100 h60
  text "MIN. VIA PAD SIZE:" at 11737.46,5975.8 h60
  text "20" at 12803.71,5975.8 h60
  text "MIL" at 12988.46,5975.8 h60
  text "0.05mm (2MIL)" at 12432.46,5845.9 h60
  text "MINIMUM ANNULAR RING" at 11408.23,5837.67 h60
  text "EXTERNAL" at 13140.46,5837.67 h60
  text "PER" at 11608.23,5727.55 h60
  text "IPC-D-275 CLASS 2 LEVEL C" at 11828.23,5727.54 h60
  text "MIL, HOLES" at 13316.46,5627.07 h60
  text "+/-" at 12924,5618.48 h60
  text "+/-" at 13778,5618.48 h60
  text "REGISTRATION TOLERANCES:" at 11408.23,5617.42 h60
  text "METAL" at 12608,5617.42 h60
  text "5" at 13184.2,5617.42 h60
  text "3" at 14017.2,5617.42 h60
  text "MIL" at 14133.46,5617.42 h60
  text "HOLE SIZE TOLERANCE (UNLESS OTHERWISE SPECIFIED):" at 11408.23,5519.1 h60
  text "+/-" at 13778,5516.23 h60
  text "3" at 14017.2,5515.17 h60
  text "MIL" at 14133.46,5515.17 h60
  text "MATERIAL:" at 11333.46,5377.52 h60
  text "FR-4 High Tg" at 12319.9,5249 h60
  text "X" at 12175.46,5241.01 h60
  text "FR-408" at 11754.46,5236.49 h60
  text "OTHER" at 13242.46,5236.49 h60
  text "63 MIL (1.6mm) +/-10%" at 12074.56,5093.46 h60
  text "X" at 11954.46,5091.01 h60
  text "THICKNESS:" at 11408.23,5085.24 h60
  text "OTHER" at 13359.46,5085.24 h60
  text "TOLERANCE:" at 11408.23,4946.92 h60
  text "X" at 12256.46,4946.92 h60
  text "ANSI IPC-6012 TYPE 3 CLASS 2" at 12434.48,4946.92 h60
  text "OTHER +/-" at 12434.46,4802.73 h60
  text "BOW & TWIST:" at 11408.23,4657.54 h60
  text "X" at 12256.46,4657.54 h60
  text "ANSI IPC-6012 TYPE 3 CLASS 2" at 12434.48,4657.54 h60
  text "OTHER +/-" at 12434.46,4510.85 h60
  text "DRILLING:" at 11333.46,4380.23 h60
  text "NC_DRILL FILES" at 13094.46,4275.04 h60
  text "REFERENCE:" at 11408.23,4271.1 h60
  text "X" at 12065.46,4271.01 h60
  text "AS SHOWN" at 12243.46,4271.1 h60
  text "X" at 12966.46,4271.1 h60
  text "OTHER" at 13392.46,4128.85 h60
  text "PTH COPPER THICKNESS:" at 11407.91,4125.32 h60
  text "X" at 12547.14,4125.32 h60
  text "20-30 um" at 12675.14,4125.32 h60
  text "BOARD FINISH:" at 11333.46,3977.73 h60
  text "SILKSCREEN:" at 11488.68,3867.6 h60
  text "X" at 12446.46,3867.6 h60
  text "TOP" at 12563.46,3867.6 h60
  text "X" at 12956.46,3867.6 h60
  text "BOTTOM" at 13074.46,3867.6 h60
  text "SILKSCREEN COLOR:" at 11488.68,3712.41 h60
  text "X" at 12445.46,3712.41 h60
  text "WHITE" at 12563.46,3712.41 h60
  text "OTHER" at 13074.46,3712.41 h60
  text "X" at 12576.46,3568.96 h60
  text "GREEN" at 12694.46,3568.96 h60
  text "OTHER" at 13312.46,3568.96 h60
  text "SOLDER RESIST COLOR:" at 11488.68,3562.1 h60
  text "X" at 12576.46,3414.71 h60
  text "MATTE" at 12694.46,3414.71 h60
  text "SEMI-GLOSS" at 13312,3414.07 h60
  text "IMMERSION GOLD (ENIG)" at 12394.46,3241.94 h60
  text "ENEPIG" at 13732,3234.72 h60
  text "SURFACE FINISH:" at 11333.46,3233.72 h60
  text "X" at 12216.46,3233.72 h60
  text "IMM. TIN/SILVER OR EQUIV" at 11663,3096.4 h60
  text "OTHER" at 13094.46,3092.47 h60
  text "X" at 12207.46,2942.9 h60
  text "ARRAY/PANEL:" at 11333.46,2937.09 h60
  text "CUT AND TRIM PER M1 BOARD OUTLINE" at 12394.46,2928.87 h60
  text "N.C. ROUTE" at 12394.46,2792.9 h60
  text "V. SCORE" at 13260.46,2792.9 h60
  text "CERTIFICATION:" at 11333.46,2663.77 h60
  text "MATERIALS AND WORKMANSHIP FOR ALL PCBS" at 12058.46,2663.77 h60
  text "TO MEET OR EXCEED THE REQUIREMENTS OF:" at 12058.46,2569.71 h60
  text "X" at 11695.97,2441.08 h60
  text "ANSI IPC-A-600F CLASS ->" at 11823.96,2441.08 h60
  text "X" at 13471.97,2441.08 h60
  text "2" at 13581.96,2441.08 h60
  text "1" at 13266.96,2439.58 h60
  text "3" at 13935.96,2439.58 h60
  text "X" at 12507.97,2293.39 h60
  text "RoHS" at 12635.96,2293.39 h60
  text "OTHER" at 13280.36,2293.39 h60
  text "PER ORDER" at 13677.42,2293.39 h60
  text "ALL BOARDS MUST MEET OR EXCEED UL94-V0 REQUIREMENTS." at 11361,2139.57 h60
  text "PCB MUST BEAR THE UL94V-0 UL REGISTERED MATERIAL ID NUMBER" at 11361,2023.5 h60
  text "ADDITIONAL REQUIREMENTS:" at 11333.46,1854.08 h60
  text "MICROSECTION:" at 11408.23,1746.95 h60
  text "YES" at 12313.96,1746.95 h60
  text "REQUIRED" at 13175.46,1602.62 h60
  text "BARE BOARD ELEC. TEST:" at 11408.23,1599.76 h60
  text "NONE" at 12713.96,1599.76 h60
  text "X" at 13057.46,1599.76 h60
  text "PER ORDER" at 13767.46,1599.76 h60
  text "XX MIL VIAS REQUIRE NON-CONDUCTIVE FILL AND PLANARIZE" at 11576.38,1394.82 h59
  text "XX MIL VIAS REQUIRE CONDUCTIVE FILL AND PLANARIZE" at 11584.38,1290.84 h60
  text "OUTER XX MIL VIAS REQUIRE 50 OHM SINGLE-ENDED IMPEDANCE" at 11583.39,1127.46 h58
  text "LAYER 2 & 3 (INNER LAYERS) XX MIL WIDE, XX MIL SPACE / TRACES REQUIRE 100 OHM DIFFERENTIAL IMPEDANCE" at 11575.39,891.74 h60
M11 Gerber Information:
  lines w10: -292,-930.17 6308,-930.17 ; -292,-726.83 6310,-726.83 ; -292,-523.5 -292,-1133.5 3713,-1133.5 6310,-1133.5 6310,-523.5 -291.5,-523.5 -291.5,-1133.5 1284,-1133.5 ; 2173,-1133.5 2173,-523.5 ; 3440,-726.83 3440,-523.5 ; 4280,-726.83 4280,-523.5 ; 4902,-1140 4902,-937.17
  text "ALL ARTWORK VIEWED FROM TOP SIDE" at -228.5,-655.67 h60
  text "BOARD #:" at 2248,-655.67 h60
  text ".PRJ_Number" at 2793.5,-655.67 h60
  text "REV:" at 3638,-655.67 h60
  text ".PCB_Rev" at 3929.5,-655.67 h60
  text "SVN REV:" at 4476,-655.67 h60
  text ".VersionControl_RevNumber" at 4982,-655.67 h60
  text "LAYER NAME =" at -228.5,-858.49 h60
  text "TID #:" at 2248,-859 h60
  text ".TID" at 2793.5,-859 h60
  text "PLOT NAME =" at -228.5,-1064.34 h60
  text ".plot_File_Name" at 577,-1064.34 h60
  text "GENERATED    :" at 2250,-1064.34 h60
  text ".Print_Date" at 3119.5,-1064.34 h60
  text ".Print_Time" at 3848.5,-1064.34 h60
  text "TEXAS INSTRUMENTS" at 5113,-1064.34 h60
M12 Stackup:
  drawing of 295 lines, arcs and shapes, not listed
  text "Layer" at 9797.84,7830 h60
  text "Name" at 10207.76,7830 h60
  text "Material" at 11137.5,7830 h60
  text "Thickness" at 11997.27,7830 h60
  text "Constant" at 12647.1,7830 h60
  text "Board Layer Stack" at 13216.96,7830 h60
  text "1" at 9797.84,7710 h60
  text "Top Overlay" at 10207.76,7710 h60
  text "2" at 9797.84,7590 h60
  text "Top Solder" at 10207.76,7590 h60
  text "Solder Resist" at 11137.5,7590 h60
  text "0.40mil" at 11997.27,7590 h60
  text "3.5" at 12647.1,7590 h60
  text "3" at 9797.84,7470 h60
  text "Top Layer" at 10207.76,7470 h60
  text "Copper" at 11137.5,7470 h60
  text "2.80mil" at 11997.27,7470 h60
  text "4" at 9797.84,7350 h60
  text "Dielectric 1" at 10207.76,7350 h60
  text "FR-4 High Tg" at 11137.5,7350 h60
  text "5.00mil" at 11997.27,7350 h60
  text "4.2" at 12647.1,7350 h60
  text "5" at 9797.84,7230 h60
  text "Ground" at 10207.76,7230 h60
  text "Copper" at 11137.5,7230 h60
  text "1.40mil" at 11997.27,7230 h60
  text "6" at 9797.84,7110 h60
  text "Dielectric 2" at 10207.76,7110 h60
  text "FR-4 High Tg" at 11137.5,7110 h60
  text "40.00mil" at 11997.27,7110 h60
  text "4.2" at 12647.1,7110 h60
  text "7" at 9797.84,6990 h60
  text "Power" at 10207.76,6990 h60
  text "Copper" at 11137.5,6990 h60
  text "1.40mil" at 11997.27,6990 h60
  text "8" at 9797.84,6870 h60
  text "Dielectric 3" at 10207.76,6870 h60
  text "FR-4 High Tg" at 11137.5,6870 h60
  text "5.00mil" at 11997.27,6870 h60
  text "4.2" at 12647.1,6870 h60
  text "9" at 9797.84,6750 h60
  text "Bottom Layer" at 10207.76,6750 h60
  text "Copper" at 11137.5,6750 h60
  text "2.80mil" at 11997.27,6750 h60
  text "10" at 9797.84,6630 h60
  text "Bottom Solder" at 10207.76,6630 h60
  text "Solder Resist" at 11137.5,6630 h60
  text "0.40mil" at 11997.27,6630 h60
  text "3.5" at 12647.1,6630 h60
  text "11" at 9797.84,6510 h60
  text "Bottom Overlay" at 10207.76,6510 h60
M13 Component Bodies Top:
  text ".Layer_Name" at 577,-858.49 h60
M14 Component Bodies Bottom:
  text ".Layer_Name" at 577,-858.49 h60
M15 Courtyards Top:
  text ".Layer_Name" at 577,-858.49 h60
M16 Courtyards Bottom:
  text ".Layer_Name" at 577,-858.49 h60
Drill Drawing:
  circle w10: c5363.72,3266.28 r16.58
  circle w10: c5363.72,3266.28 r27.63
  circle w10: c5363.72,2023.08 r27.63
  lines w10: 5336.09,1926.39 5391.34,1926.39 5363.72,1871.14 5336.09,1926.39 ; 5336.09,2133.59 5349.9,2133.59 5363.72,2119.78 5377.53,2133.59 5391.34,2133.59 5377.53,2147.4 5391.34,2161.22 5377.53,2161.22 5363.72,2175.03 5349.9,2161.22 5336.09,2161.22 5349.9,2147.4 5336.09,2133.59 ; 5336.09,2257.91 5349.9,2257.91 5349.9,2244.1 5377.53,2244.1 5377.53,2257.91 5391.34,2257.91 5391.34,2285.54 5377.53,2285.54 5377.53,2299.35 5349.9,2299.35 5349.9,2285.54 5336.09,2285.54 5336.09,2257.91 ; 5336.09,2368.42 5336.09,2382.23 5349.9,2396.04 5336.09,2409.86 5336.09,2423.67 5349.9,2423.67 5363.72,2409.86 5377.53,2423.67 5391.34,2423.67 5391.34,2409.86 5377.53,2396.04 5391.34,2382.23 5391.34,2368.42 5377.53,2368.42 5363.72,2382.23 5349.9,2368.42 5336.09,2368.42 ; 5336.09,2492.74 5391.34,2492.74 5391.34,2547.99 5336.09,2547.99 5336.09,2492.74 ; 5336.09,2617.06 5363.72,2630.87 5391.34,2617.06 5377.53,2644.68 5391.34,2672.31 5363.72,2658.5 5336.09,2672.31 5349.9,2644.68 5336.09,2617.06 ; 5336.09,2796.63 5391.34,2796.63 5363.72,2741.38 5336.09,2796.63 ; 5336.09,2879.51 5349.9,2879.51 5349.9,2865.7 5377.53,2865.7 5377.53,2879.51 5391.34,2879.51 5391.34,2907.14 5377.53,2907.14 5377.53,2920.95 5349.9,2920.95 5349.9,2907.14 5336.09,2907.14 5336.09,2879.51 ; 5336.09,3017.64 5363.72,2990.02 5391.34,3017.64 5363.72,3045.27 5336.09,3017.64 ; 5336.09,3114.34 5391.34,3114.34 5391.34,3169.59 5336.09,3169.59 5336.09,3114.34 ; 5347.14,1915.34 5380.29,1915.34 5363.72,1882.19 5347.14,1915.34 ; 5347.14,2263.43 5355.43,2263.43 5355.43,2255.15 5372.01,2255.15 5372.01,2263.43 5380.29,2263.43 5380.29,2280.01 5372.01,2280.01 5372.01,2288.3 5355.43,2288.3 5355.43,2280.01 5347.14,2280.01 5347.14,2263.43 ; 5347.14,2628.11 5363.72,2636.39 5380.29,2628.11 5372.01,2644.68 5380.29,2661.26 5363.72,2652.97 5347.14,2661.26 5355.43,2644.68 5347.14,2628.11 ; 5347.14,3125.39 5380.29,3125.39 5380.29,3158.54 5347.14,3158.54 5347.14,3125.39
  lines w12: 5286,1833.84 8517.49,1833.84 ; 5286,3325.68 8517.49,3325.68 ; 5623.86,1709.52 5623.86,3450 ; 5955.86,1709.52 5955.86,3450 ; 6592.43,1709.52 6592.43,3450 ; 6851.57,1709.52 6851.57,3450 ; 7226.72,1709.52 7226.72,3450 ; 7951.05,1709.52 7951.05,3450 ; 5286,1709.52 8517.49,1709.52 8517.49,3450 5286,3450 5286,1709.52
  text "This is not Impedance control Board" at 5316,3558 h50
  text "Symbol" at 5360.59,3362.98 h72
  text "Quantity" at 5661.16,3362.98 h72
  text "Finished Hole Size" at 5993.16,3362.98 h72
  text "Plated" at 6629.72,3362.98 h72
  text "Hole Type" at 6888.86,3362.98 h72
  text "Drill Layer Pair" at 7264.02,3362.98 h72
  text "Hole Tolerance" at 7988.35,3362.98 h72
  text "5" at 5661.16,3238.66 h60
  text "7.87mil (0.200mm)" at 5993.16,3238.66 h60
  text "PTH" at 6629.72,3238.66 h60
  text "Round" at 6888.86,3238.66 h60
  text "Top Layer - Bottom Layer" at 7264.02,3238.66 h60
  text "20" at 5661.16,3114.34 h60
  text "10.00mil (0.254mm)" at 5993.16,3114.34 h60
  text "PTH" at 6629.72,3114.34 h60
  text "Round" at 6888.86,3114.34 h60
  text "Top Layer - Bottom Layer" at 7264.02,3114.34 h60
  text "94" at 5661.16,2990.02 h60
  text "12.00mil (0.305mm)" at 5993.16,2990.02 h60
  text "PTH" at 6629.72,2990.02 h60
  text "Round" at 6888.86,2990.02 h60
  text "Top Layer - Bottom Layer" at 7264.02,2990.02 h60
  text "2" at 5661.16,2865.7 h60
  text "33.07mil (0.840mm)" at 5993.16,2865.7 h60
  text "PTH" at 6629.72,2865.7 h60
  text "Round" at 6888.86,2865.7 h60
  text "Top Layer - Bottom Layer" at 7264.02,2865.7 h60
  text "18" at 5661.16,2741.38 h60
  text "40.00mil (1.016mm)" at 5993.16,2741.38 h60
  text "PTH" at 6629.72,2741.38 h60
  text "Round" at 6888.86,2741.38 h60
  text "Top Layer - Bottom Layer" at 7264.02,2741.38 h60
  text "2" at 5661.16,2617.06 h60
  text "41.34mil (1.050mm)" at 5993.16,2617.06 h60
  text "PTH" at 6629.72,2617.06 h60
  text "Round" at 6888.86,2617.06 h60
  text "Top Layer - Bottom Layer" at 7264.02,2617.06 h60
  text "10" at 5661.16,2492.74 h60
  text "45.28mil (1.150mm)" at 5993.16,2492.74 h60
  text "PTH" at 6629.72,2492.74 h60
  text "Round" at 6888.86,2492.74 h60
  text "Top Layer - Bottom Layer" at 7264.02,2492.74 h60
  text "4" at 5661.16,2368.42 h60
  text "50.00mil (1.270mm)" at 5993.16,2368.42 h60
  text "NPTH" at 6629.72,2368.42 h60
  text "Round" at 6888.86,2368.42 h60
  text "Top Layer - Bottom Layer" at 7264.02,2368.42 h60
  text "6" at 5661.16,2244.1 h60
  text "51.18mil (1.300mm)" at 5993.16,2244.1 h60
  text "PTH" at 6629.72,2244.1 h60
  text "Round" at 6888.86,2244.1 h60
  text "Top Layer - Bottom Layer" at 7264.02,2244.1 h60
  text "+/-3.94mil" at 7988.35,2244.1 h60
  text "23" at 5661.16,2119.78 h60
  text "53.15mil (1.350mm)" at 5993.16,2119.78 h60
  text "PTH" at 6629.72,2119.78 h60
  text "Round" at 6888.86,2119.78 h60
  text "Top Layer - Bottom Layer" at 7264.02,2119.78 h60
  text "7" at 5661.16,1995.46 h60
  text "94.49mil (2.400mm)" at 5993.16,1995.46 h60
  text "PTH" at 6629.72,1995.46 h60
  text "Round" at 6888.86,1995.46 h60
  text "Top Layer - Bottom Layer" at 7264.02,1995.46 h60
  text "2" at 5661.16,1871.14 h60
  text "314.96mil (8.000mm)" at 5993.16,1871.14 h60
  text "NPTH" at 6629.72,1871.14 h60
  text "Round" at 6888.86,1871.14 h60
  text "Top Layer - Bottom Layer" at 7264.02,1871.14 h60
  text "193 Total" at 5661.16,1746.82 h60
  text "Tolerance:" at 5330,1455 h72.83
  text "For 7.874mil +0/-7.874mil" at 5360,1289 h50
  text "For 10mil +0/-10 mil" at 5360,1185 h50
  text "For 12 mil +0/-12 mil" at 5360,1078 h50
  text "For PTH Drills +/-3mil" at 5360,987 h50
  text "For NPTH Drill +/-2 mil" at 5360,898 h50
  text ".Layer_Name" at 577,-858.49 h60
M17 Embedded Cavity:
  text ".Layer_Name" at 577,-858.49 h60
M18 Embedded Assembly:
  text ".Layer_Name" at 577,-858.49 h60
M19 Embedded Keepout:
  text ".Layer_Name" at 577,-858.49 h60

## Dimensions
0,-400 to 1000,-400 on M2 Board Dimensions
0,0 to 0,4300 on M2 Board Dimensions
0,0 to 4300,0 on M2 Board Dimensions

## Text inside footprints (layer, text, board x,y; h text height)
Logo2: Top Overlay "Pb" at 4068.9,2270.4 h60 r90
Logo3: Top Overlay "For evaluation only; not FCC approved for resale." at 4230,1107 h60 r90
ZZ1: M5 Assembly Top "Install label in silkscreened box after final wash.  Text shall be 8 pt font.  Text shall be per the Label Table in the PDF schematic." at 305,6618 h40